# Altium PCB DK TT.PcbDoc (continued)
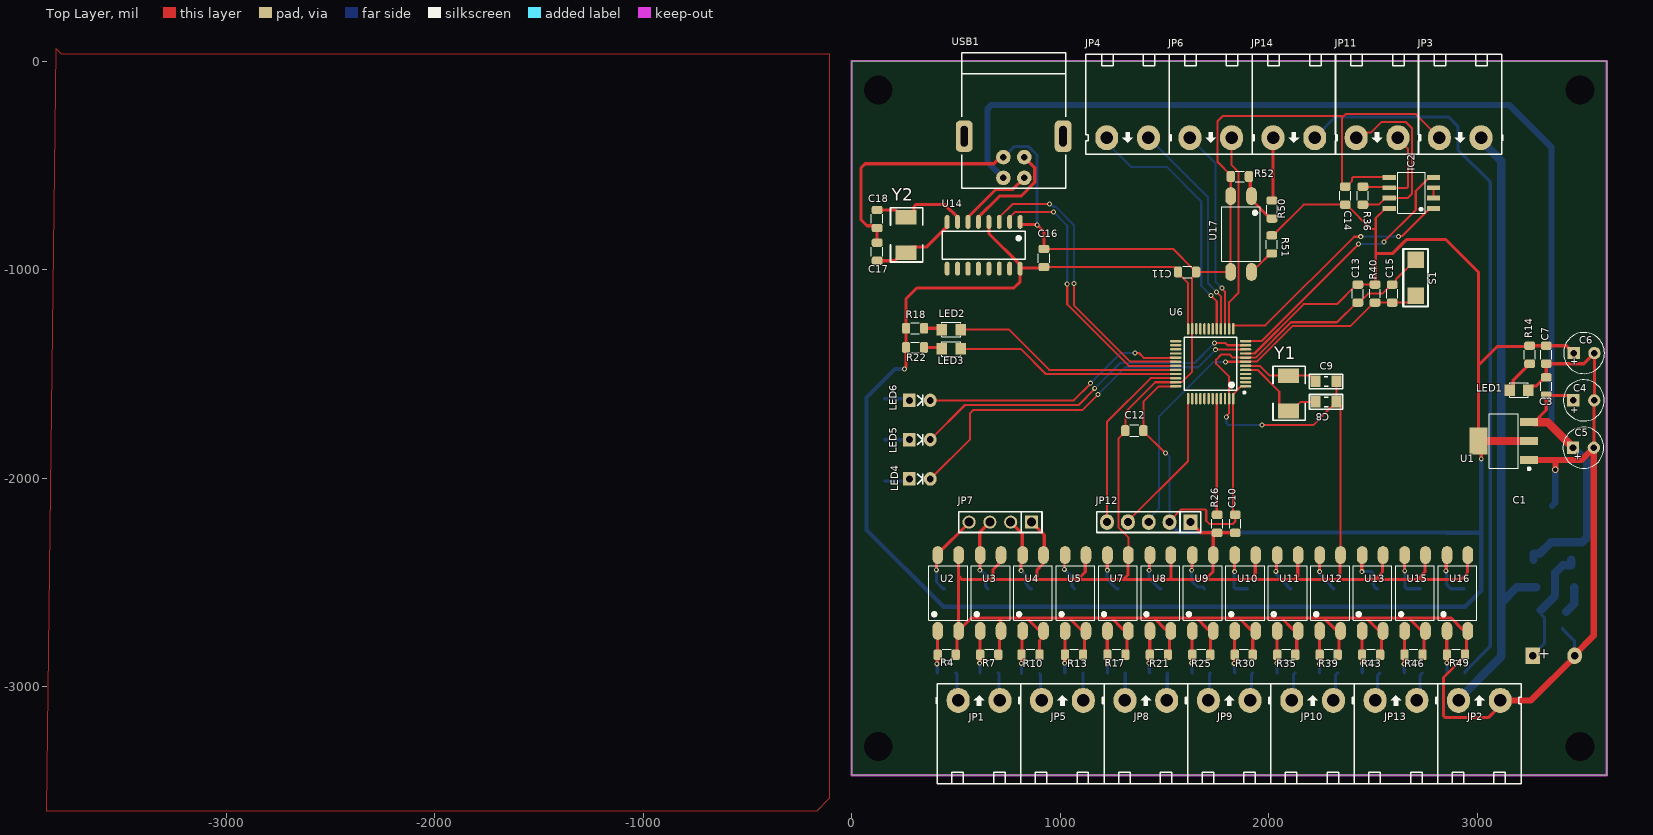
[diagram p0: Top Layer view]
## Footprints (in the part's own frame and the unit in brackets; to place one, negate y for a bottom-side part, rotate by r counter-clockwise, add the part's x,y. Pads: shape width x height; smd on the part's side, far side on the other; paste and mask are expansions set on the pad) (continued)
  round 70 hole 31: 1(49,100) 2(-51,100) 3(-51,0) 4(49,0)
  silkscreen extent -251,-501 249,149, body extent -290,-500 296,142, height 447

## Part data
C1: library part CP4, "470uF/35V", Manufacturer="Würth Elektronik", Part number=860020575014, Category=CAPACITOR, User_Description="CAP ALUM 470UF 20% 35V RADIAL"
C2 C3 C7 C10 C11 C12 C13 C15: library part C, "Cap SMD"
C4 C5 C6: library part CP3, "Cap 100uF/35V - 470uF/16V", Description 1="1000uF/6,3V - 470uF/16V - 330uF - 25V", Description 2="220uF/35V - 100uF/50V - 63V - 4,7uF/200V", Description 3="22uF => 33uF100V - 3,3uF => 4,7uF/250V", Description 4="2,2uF =>3,3uF/350 - 2,2uF/400V - 1uF/450V"
C8 C9: library part CapSMD, "Capacitor", LatestRevisionDate=17-Jul-2002, LatestRevisionNote="Re-released for DXP Platform.", PackageReference=RAD-0.3, Published=8-Jun-2000, Publisher="Altium Limited"
C14 C16: library part C, "Cap SMD", Manufacturer="Samsung Electro-Mechanics", Package=0805, Part number=CL21B104KBCNNWC, Category=CAPACITOR, User_Description="CAP CER 0.1UF 50V X7R 0805"
C17 C18: library part C, "Cap SMD", Manufacturer="Samsung Electro-Mechanics", Package=0805, Part number=CL21C220JBANFNC, Category=CAPACITOR, User_Description="CAP CER 22PF 50V C0G/NP0 0805"
D1: library part D1A, "Diode 1A"
IC1: library part LM78xx, "On ap +, from + 5 to + 24VDC"
IC2: library part MAX3362EKA+T, "IC TRANSCEIVER HALF 1/1 SOT23-8", Manufacturer="Maxim Integrated", Package=SOT-23-8, Category="Interface - Drivers", Part number=MAX3362EKA+T, User_Description="IC TRANSCEIVER HALF 1/1 SOT23-8"
JP1 JP2 JP3 JP4 JP5 JP6 JP8 JP9 JP10 JP11 JP13 JP14: library part Con2, "Connector 2"
JP7: library part "JP 1x4 2.54 Duc Thang", "Cắm", Chung_Loai=Cắm, Don_Vi=Con, Ma_Hang=MH000903, Ten_Linh_Kien="Jump Đơn Đực 2.54MM 1x40P Thẳng 11MM"
JP12: library part Con5, "Connector 5"
LED1 LED2 LED3 LED4 LED5 LED6: "LED Single colour Green and Red"
R1 R2 R3 R4 R5 R6 R7 R8 R9 R10 R11 R12 R13 R14 R15 R16 R17 R18 R19 R20 R21 R22 R23 R24 R25 R26 R27 R28 R29 R30 R31 R32 R33 R34 R35 R36 R37 R38 R39 R41 R42 R43 R44 R45 R46 R47 R48 R49 R50 R51 R52: library part RES, "Resistor 1/4W"
R40: library part RES_1, "Resistor 1/4W"
S1: "Switch", LatestRevisionDate=17-Jul-2002, LatestRevisionNote="Re-released for DXP Platform.", PackageReference=SPST-2, Published=24-Mar-1999, Publisher="Altium Limited"
U1: library part LM1117, Creator="Nguyen Ba Bien", Website=http://group3i.net
U2 U3 U4 U5 U7 U8 U9 U10 U11 U12 U13 U15 U16 U17: library part PC817, "Single Opto"
U14: "USB to UART Interface", Manufacturer=WCH, Package=SOIC-16, Category="IC UART Interface", Part number=CH340G, User_Description="USB to UART Interface"
USB1: "CONN USB 2.0 RT ANGLE TYPE B", Manufacturer="Stewart Connector", Package="Through Hole", Part number=SS-52300-001, Category="Connectors, Interconnects", User_Description="CONN USB 2.0 RT ANGLE TYPE B"
Y1 Y2: library part "Thach Anh 2 chan SMD 5032", "Crystal For all Crystal 2pin."

## Free pads (board coordinates)
  round 0 hole 137.8: 0(127.95,-3287.4) 0(127.95,-137.8) 0(3494.09,-3287.4) 0(3494.09,-137.8)

## Via types
v1: diameter 23.62, hole 11.81, Top Layer to Bottom Layer, 27 vias
v2: diameter 24, hole 14, Top Layer to Bottom Layer, 23 vias
v3: diameter 30, hole 20, Top Layer to Bottom Layer, 1 vias

## Nets (pads, with @x,y where several pads share a name; then routed paths per layer and width w, separated by ;. In a path a pad name is that pad's centre, name@x,y a point inside that pad or via, vN(x,y) a via of type N, cw(c..) or ccw(c..) an arc to the next point about the centre after c; other vN are vias at no path point)
485A: IC2.6 JP11.1 R36.2 | length 477.6
  Top Layer w10: R36.2 2454.65,-604.35 2576.05,-604.35 IC2.6 2580.7,-609 2662.27,-609 2668.13,-603.14 2668.13,-419.97 2620.18,-372.02 JP11.1
485B: IC2.7 JP11.2 R36.1 | length 883
  Top Layer w10: JP11.2 2444.31,-342.88 2490.12,-342.88 2541,-292 2659,-292 2688.05,-321.05 2688.05,-634.97 2666.02,-657 2559.02,-657 2527.71,-688.31 R36.1
+3.3V: C6.1 C7.2 C10.1 C11.1 C12.1 C13.1 C14.1 C16.2 IC2.8 JP12.2 R2.2 R6.2 R9.2 R12.2 R14.1 R16.2 R18.2 R20.2 R22.2 R24.2 R27.2 R29.2 R31.2 R33.2 R34.2 R38.2 R40.1 R42.2 R45.2 R48.2 R51.2 U1.2 U6.1 U6.9 U6.24 U6.36 U6.48 U14.4 U14.16 | length 14439.8
  Top Layer w10: C16.2 1545.29,-987.31 1565.69,-1007.71 C11.1 1565.69,-1017 1613.63,-1064.94 U6.24 1613.63,-1306.14 U6.24@1614.54,-1307.05 ; v2(1506,-1879) 1503.01,-1879 1399.31,-1775.29 C12.1 1399.31,-1633.69 1473.41,-1559.59 U6.36 U6.36@1554.92,-1559.24 ; JP12.2 1525,-2206.5 1581.5,-2150 1695.14,-2150 1701,-2155.86 1701,-2205 1717,-2221 1827,-2221 1840,-2208 C10.1 1830.17,-2165.86 U6.48 1830.17,-1596.99 1867.57,-1559.59 U6.1 ; U6.9 1932.17,-1402.11 2168.58,-1165.69 2327.87,-1165.69 2418.87,-1074.69 C13.1@2428,-1074.69 ; R51.2 2021,-835.69 2168.39,-688.31 C14.1 2374,-688.31 2490.69,-805 2512,-805 2514,-803 ; C13.1 R40.1 2514,-1068.07 2514,-803 ; IC2.8 2559.02,-707 2514,-752.02 2514,-803
  Top Layer w15: v2(253,-1476) 253,-1473.56 260.69,-1465.87 R22.2 R18.2 260.69,-1140.31 313,-1088 778.21,-1088 808,-1058.21 U14.16 ; U14.4 658,-826.76 803.14,-971.9 804.02,-971.9 808,-975.88 U14.16 ; C16.2 918.05,-991.26 811.95,-991.26 U14.16 ; 2517,-923.28 2593.72,-923.28 2661,-856 2851,-856 3005.95,-1010.95 3005.95,-1460.05 ; v1(3020,-1908) 3020,-1836.05 3005.95,-1822 3005.95,-1460.05 ; C6.1 3427.69,-1364.69 C7.2 R14.1 3248.69,-1368 3098,-1368 3005.95,-1460.05
  Top Layer w40: U1.2@3005.95,-1822 U1.2@3250.05,-1822
  Bottom Layer w10: v2(1506,-1879) 1506,-1879.18 1525,-1898.18 JP12.2
  Bottom Layer w20: v2(253,-1476) 208.69,-1476 71.69,-1613 R34.2 R31.2 R27.2 71.69,-2248.69 440,-2617 R2.2 R6.2 R9.2 R12.2 R16.2 R20.2 R24.2 R29.2 R33.2 R38.2 R42.2 R45.2 R48.2 2943,-2617 3020,-2540 3020,-2262 ; JP12.2 1525,-2215.5 1570.87,-2261.37 2854.37,-2261.37 2855,-2262 3020,-2262 ; v1(3020,-1908) 3020,-2262
+5V: C3.2 C4.1 C5.1 IC1.3 U1.3 USB1.1 | length 5971
  Top Layer w15: U1.3 3273.67,-1731.45 3332,-1673.12 C3.2 3438.31,-1603.31 C4.1
  Top Layer w40: U1.3@3273.67,-1731.45 3337.45,-1731.45 C5.1
  Bottom Layer w30: USB1.1 652,-484 652,-227.57 669.57,-210 3154,-210 3357,-413 3357,-1751 C5.1
  Bottom Layer w40: IC1.3 3270.84,-2364.09 3271.51,-2363.42 3298.34,-2363.42 3353.76,-2308 3503.57,-2308 3527,-2284.57 3527,-1921 C5.1
+12V: D1.1 JP2.1 JP3.1 | length 3023.4
  Bottom Layer w40: JP2.1 2911.02,-3061.2 3116,-2856.22 3116,-2598 ; JP3.1 3019,-380.65 3116,-477.65 3116,-2598 ; D1.1 3190,-2524 3116,-2598
BOOT0: R26.2 U6.44 | length 557.7
  Top Layer w10: U6.44 1751.43,-2174.12 R26.2
D+: U14.5 USB1.3 | length 504.1
  Top Layer w15: U14.5 608,-748 709,-647 812.24,-647 878.37,-580.87 878.37,-510.37 USB1.3
D-: U14.6 USB1.2 | length 370
  Top Layer w15: U14.6 558,-749.14 692.38,-614.77 773.23,-614.77 USB1.2
DE/RE: IC2.2 IC2.3 | length 50
  Top Layer w10: IC2.2 IC2.3
GND: C1.2 C2.1 C3.1 C4.2 C5.2 C6.2 C7.1 C8.2 C9.2 C10.2 C11.2 C12.2 C13.2 C14.2 C15.1 C16.1 C17.1 C18.1 IC1.2 IC2.5 JP2.2 JP3.2 JP7.1 JP12.1 LED1.2 R4.1 R7.1 R10.1 R13.1 R17.1 R21.1 R25.1 R26.1 R30.1 R35.1 R39.1 R43.1 R46.1 R49.1 R52.1 S1.2 U1.1 U2.2 U2.3 U3.2 U3.3 U4.2 U4.3 U5.2 U5.3 U6.8 U6.23 U6.35 U6.47 U7.2 U7.3 U8.2 U8.3 U9.2 U9.3 U10.2 U10.3 U11.2 U11.3 U12.2 U12.3 U13.2 U13.3 U14.1 U15.2 U15.3 U16.2 U16.3 U17.2 U17.3 USB1.4 | length 23377.5
  Top Layer w10: C16.1 1542,-900.69 1634.39,-993.09 1637.69,-993.09 1652.31,-1007.71 C11.2 ; U7.3 1327.33,-2284.14 1279.13,-2235.93 1279.13,-1811.57 1312.69,-1778 C12.2 1312.69,-1683.31 1456.09,-1539.91 U6.35 1554.92,-1539.56 1583.45,-1539.56 1633.31,-1489.69 U6.23 1633.31,-1038.7 1652.31,-1019.71 C11.2 ; v2(1797,-1706) 1797,-1702.21 1810.48,-1688.73 U6.47 1810.48,-1514.48 1748,-1452 1748,-1432 1774,-1406 1812.47,-1406 1828.26,-1421.8 U6.8 1937.76,-1421.8 2107.25,-1252.31 2327.87,-1252.31 2422,-1158.18 C13.2 2434,-1158.18 2477.18,-1115 2546,-1115 2589.43,-1071.57 C15.1 2596.29,-1071.57 2610.91,-1056.95 2610.91,-1046.86 S1.2 ; U17.3 U17.3@1804.65,-1011 ; v2(1968,-1746) 2214,-1746 2303.44,-1656.56 2307.38,-1656.56 2326,-1637.94 C8.2 ; C9.2 2325,-1633 C8.2 ; U12.3 2345.25,-1994.88 2344.62,-1994.25 2344.62,-1652.62 C8.2 ; IC2.5 2576.7,-555 2406.86,-555 2401,-560.86 2401,-573.34 2372.64,-601.69 C14.2 2366.92,-601.69 2352.3,-587.07 2352.3,-271.56 2360.86,-263 ; JP3.2 2705.98,-254 2369.86,-254 2360.86,-263 ; C11.2 U17.3@1804.65,-1011 ; U17.3@1804.65,-1011 1818,-997.65 U17.2 1818.35,-646.65 1818.35,-553.35 R52.1 1818.69,-547 1754.65,-482.96 1754.65,-288.35 1780,-263 2360.86,-263
  Top Layer w15: C17.1 C18.1 111.19,-789.5 73.5,-789.5 45,-761 45,-511.79 65.05,-491.74 681.38,-491.74 713.12,-460 USB1.4 ; R4.1 506.08,-2840.04 506.08,-2739.92 U2.2@511,-2735 ; U2.2@511,-2749 U2.2@511,-2735 ; U2.2 U2.2@511,-2735 ; U2.2@513,-2717 513,-2471 ; U2.3 513,-2471 ; R7.1 709.66,-2840.04 709.66,-2739.92 U3.2@714.58,-2735 ; U3.3@714.58,-2385 714.58,-2402.41 678,-2438.99 678,-2475 667,-2486 ; U3.2 U3.2@714.58,-2735 ; U14.1 808,-779.3 811.98,-783.28 888.28,-783.28 v2(890,-785) ; JP7.1 924,-2272 924,-2365 U4.3 ; v2@890,-791.17 896.17,-791.17 922,-817 C16.1 ; R10.1 901.31,-2778.89 920,-2760.2 U4.2 ; U4.2@918,-2749 918,-2741.38 901.29,-2724.67 893.67,-2724.67 840,-2671 ; U4.3@918,-2385 918,-2412.2 889.86,-2440.34 889.86,-2469.14 873,-2486 ; R13.1 1116.83,-2840.04 1116.83,-2739.92 U5.2@1118.56,-2738.19 ; U5.3@1121.75,-2385 1120.71,-2386.04 1120.71,-2450.5 1085.21,-2486 ; U5.2 U5.2@1118.56,-2738.19 ; R17.1 1320.41,-2840.04 1320.41,-2739.92 U7.2@1322.14,-2738.19 ; U7.3@1325.33,-2385 1325.33,-2463.88 1303.21,-2486 ; U7.2 U7.2@1322.14,-2738.19 ; R21.1 1523.99,-2840.04 1523.99,-2746.3 1528.92,-2741.38 1512.2,-2724.67 1504.58,-2724.67 1450.92,-2671 ; U8.3@1532,-2388.08 1532,-2477.21 1523.21,-2486 ; JP12.1 1625,-2215.5 1650.5,-2241 1655,-2241 1676.31,-2262.31 R26.1@1748.35,-2262.31 ; R25.1 1720.61,-2774.09 1732.5,-2762.2 1732.5,-2741.38 1715.79,-2724.67 1708.17,-2724.67 1654.5,-2671 ; U9.3@1732.5,-2385 1732.5,-2450.5 1697,-2486 ; U9.3 1734.5,-2276.16 R26.1@1748.35,-2262.31 ; C10.2 R26.1 R26.1@1748.35,-2262.31 ; R30.1 1924.2,-2774.09 1936.08,-2762.2 1936.08,-2741.38 1919.37,-2724.67 1911.75,-2724.67 1858.08,-2671 ; U10.3@1936.08,-2385 1936.08,-2466.13 1916.21,-2486 ; R35.1 2134.74,-2840.04 2134.74,-2746.3 2139.67,-2741.38 2122.95,-2724.67 2115.33,-2724.67 2061.67,-2671 ; U11.3@2139.67,-2385 2139.67,-2469.55 2123.21,-2486 ; R39.1 2338.33,-2840.04 2338.33,-2746.3 2343.25,-2741.38 2326.54,-2724.67 2318.92,-2724.67 2265.25,-2671 ; U12.3@2343.25,-2385 2343.25,-2470.96 2328.21,-2486 ; R43.1 2541.91,-2840.04 2541.91,-2739.92 U13.2@2543.64,-2738.19 ; U13.3@2546.83,-2385 2546.5,-2385.33 2546.5,-2450.5 2511,-2486 ; U13.2 U13.2@2543.64,-2738.19 ; R46.1 2745.49,-2840.04 2745.49,-2736.46 2733.7,-2724.67 2726.08,-2724.67 2672.42,-2671 ; U15.2@2747.22,-2738.19 2750.42,-2741.38 U15.2@2750.42,-2749 ; U15.3@2750.42,-2385 2749.71,-2385.7 2749.71,-2450.5 2714.21,-2486 ; U16.3@2954,-2385 2954,-2453 2921,-2486 2714.21,-2486 ; U16.2 U16.2@2950.81,-2738.19 ; JP2.2 3111.02,-3090.98 3053,-3149 2847.79,-3149 2839,-3140.21 2839,-2956.11 2942.11,-2853 R49.1 2949.08,-2840.04 2949.08,-2739.92 U16.2@2950.81,-2738.19 ; LED1.2 3246,-1575.5 3263.5,-1558 3284.69,-1558 3326,-1516.69 C3.1 C7.1 3511.69,-1451.31 C6.2@3562.5,-1400.5 ; C5.2 3561,-1853 3561,-1628 C4.2 3562.5,-1626.5 C6.2@3562.5,-1400.5 ; C6.2 C6.2@3562.5,-1400.5 ; U2.2@511,-2735 511,-2733 573,-2671 702.21,-2671 ; 513,-2471 528,-2486 667,-2486 ; 667,-2486 873,-2486 ; 702.21,-2671 840,-2671 ; 702.21,-2671 714.58,-2683.37 U3.2@714.58,-2735 ; 840,-2671 1043.75,-2671 ; 873,-2486 1085.21,-2486 ; 1043.75,-2671 1247.33,-2671 ; 1043.75,-2671 1097.42,-2724.67 1105.04,-2724.67 U5.2@1118.56,-2738.19 ; 1085.21,-2486 1303.21,-2486 ; 1247.33,-2671 1450.92,-2671 ; 1247.33,-2671 1301,-2724.67 1308.62,-2724.67 U7.2@1322.14,-2738.19 ; 1303.21,-2486 1523.21,-2486 ; 1450.92,-2671 1654.5,-2671 ; 1523.21,-2486 1697,-2486 ; 1654.5,-2671 1858.08,-2671 ; 1697,-2486 1916.21,-2486 ; 1858.08,-2671 2061.67,-2671 ; 1916.21,-2486 2123.21,-2486 ; 2061.67,-2671 2265.25,-2671 ; 2123.21,-2486 2328.21,-2486 ; 2265.25,-2671 2468.83,-2671 ; 2328.21,-2486 2511,-2486 ; 2468.83,-2671 2672.42,-2671 ; 2468.83,-2671 2522.5,-2724.67 2530.12,-2724.67 U13.2@2543.64,-2738.19 ; 2511,-2486 2714.21,-2486 ; 2672.42,-2671 2876,-2671 2929.67,-2724.67 2937.28,-2724.67 U16.2@2950.81,-2738.19
  Top Layer w30: JP2.2 3258.8,-3066.2 3468,-2857 C1.2 3468,-2847 3560,-2755 C5.2 3501.45,-1912.55 3375.75,-1912.55 ; U1.1 3375.75,-1912.55 ; v3(3375,-1960) 3375.75,-1959.25 3375.75,-1912.55
  Bottom Layer w10: v2(1797,-1706) 1797,-1735.21 1807.79,-1746 v2(1968,-1746)
  Bottom Layer w15: USB1.4 778.37,-409.63 848.87,-409.63 889,-449.76 889,-784 v2(890,-785) ; C2.1 3410.31,-2725 3468,-2782.69 C1.2
  Bottom Layer w30: IC1.2 3375,-2118 v3(3375,-1960)
I2C_SCL: U6.21
I2C_SDA: U6.22
IN1: JP7.4 R2.1 U2.4 | length 404.9
  Top Layer w15: v1(406,-2440) 406,-2370.3 563,-2213.3 JP7.4
  Bottom Layer w15: v1(406,-2440) 407.19,-2441.19 407.19,-2498.19 439.39,-2530.39 R2.1
IN2: JP7.3 R6.1 U3.4 | length 357.1
  Top Layer w15: v1(615,-2441) 614.79,-2440.79 614.79,-2385.21 614.58,-2385 614.58,-2259.42 JP7.3
  Bottom Layer w15: v1(615,-2441) 617.49,-2441 642.58,-2466.09 642.58,-2519.39 R6.1
IN3: JP7.2 R9.1 U4.4 | length 366.9
  Top Layer w15: JP7.2 818,-2266 818,-2385 813.08,-2389.92 813.08,-2413.21 813,-2413.29 v1(813,-2444)
  Bottom Layer w15: v1(813,-2444) 833.63,-2464.63 833.63,-2502.85 844.21,-2513.43 844.21,-2518.08 856.52,-2530.39 R9.1
IN4: R12.1 U5.4 | length 166.3
  Top Layer w10: v1(1020,-2438) 1020.87,-2437.13 1020.87,-2385.87 U5.4@1021.75,-2385
  Bottom Layer w15: v1(1020,-2438) 1057.75,-2475.75 1057.75,-2519.39 R12.1
IN5: R16.1 U7.4 | length 171.7
  Top Layer w10: U7.4@1225.33,-2385 U7.4@1226.17,-2385.83 ; v1@1226.17,-2440.17 v1(1227,-2441)
  Top Layer w15: v1@1226.17,-2440.17 U7.4@1226.17,-2385.83
  Bottom Layer w15: v1(1227,-2441) 1225,-2443 1225,-2485.05 1270.33,-2530.39 R16.1
IN6: R20.1 U8.4 | length 198.8
  Top Layer w10: v1(1427,-2442) v1@1427.96,-2441.04 ; U8.4@1427.96,-2385.96 U8.4@1428.92,-2385
  Top Layer w15: v1@1427.96,-2441.04 U8.4@1427.96,-2385.96
  Bottom Layer w15: v1(1427,-2442) 1427,-2479.47 1459.84,-2512.31 ; 1441.77,-2494.23 1477.92,-2530.39 R20.1
IN7: R24.1 U9.4 | length 185.2
  Top Layer w10: v1(1631,-2442) v1@1631.75,-2441.25 ; U9.4@1631.75,-2385.75 U9.4@1632.5,-2385
  Top Layer w15: v1@1631.75,-2441.25 U9.4@1631.75,-2385.75
  Bottom Layer w15: v1(1631,-2442) 1631,-2494 1658.77,-2521.77 1682.88,-2521.77 R24.1
IN8: R29.1 U10.4 | length 208.7
  Top Layer w10: U10.4@1836.08,-2385 U10.4@1836.54,-2385.46 ; v1@1836.54,-2447.54 v1(1837,-2448)
  Top Layer w15: v1@1836.54,-2447.54 U10.4@1836.54,-2385.46
  Bottom Layer w15: v1(1837,-2448) 1834.39,-2450.61 1834.39,-2460.24 1834,-2460.63 1834,-2524.53 1839.86,-2530.39 R29.1
IN9: R33.1 U11.4 | length 179.2
  Top Layer w10: v1(2035,-2447) v1@2037.33,-2444.67 ; U11.4@2037.33,-2387.33 U11.4@2039.67,-2385
  Top Layer w15: v1@2037.33,-2444.67 U11.4@2037.33,-2387.33
  Bottom Layer w15: v1@2037,-2447 2036.65,-2447.35 2036.65,-2454.75 2037,-2455.1 2037,-2461 2089.71,-2513.71 2089.71,-2518.08 2102.02,-2530.39 R33.1
IN10: R38.1 U12.4 | length 177
  Top Layer w10: U12.4@2243.25,-2385 U12.4@2244.12,-2385.88 ; v1@2244.12,-2447.12 v1(2245,-2448)
  Top Layer w15: v1@2244.12,-2447.12 U12.4@2244.12,-2385.88
  Bottom Layer w15: v1@2247,-2448 2246.65,-2448.35 2246.65,-2455.75 2247,-2456.1 2247,-2463.14 2297.29,-2513.43 2297.29,-2518.08 2309.6,-2530.39 R38.1
IN11: R42.1 U13.4 | length 205.8
  Top Layer w10: U13.4@2446.83,-2385 U13.4@2446.92,-2385.08 ; v1@2446.92,-2447.92 v1(2447,-2448)
  Top Layer w15: v1@2446.92,-2447.92 U13.4@2446.92,-2385.08
  Bottom Layer w15: v1(2447,-2448) 2492.37,-2448 2501.16,-2456.79 2501.16,-2509.1 2504.88,-2512.82 2504.88,-2518.08 2517.19,-2530.39 R42.1
IN12: R45.1 U15.4 | length 217.1
  Top Layer w10: U15.4@2650.42,-2385 U15.4@2651.71,-2386.29 ; v1@2651.71,-2443.71 v1(2653,-2445)
  Top Layer w15: v1@2651.71,-2443.71 U15.4@2651.71,-2386.29
  Bottom Layer w15: v1@2655,-2445 2655,-2524 2661.39,-2530.39 R45.1
IN13: R48.1 U16.4 | length 219.8
  Top Layer w10: v1(2850,-2445) v1@2852,-2443 ; U16.4@2852,-2387 U16.4@2854,-2385
  Top Layer w15: v1@2852,-2443 U16.4@2852,-2387
  Bottom Layer w15: v1(2850,-2445) 2852.61,-2447.61 2852.61,-2508.61 2874.39,-2530.39 R48.1
IN14: R51.1 U17.4 | length 137.4
  Top Layer w10: U17.4 1918,-1004.73 1937.02,-985.71 1945.6,-985.71 2009,-922.31 R51.1
LED1: LED4.2 U6.10 | length 1842.9
  Top Layer w10: LED4.2 568,-1813 568,-1688 582,-1674 1106,-1674 v2(1182,-1598) ; v2(1746,-1384) 1747.23,-1382.77 1888.87,-1382.77 U6.10
  Bottom Layer w10: v2(1182,-1598) 1312,-1468 1662,-1468 v2(1746,-1384)
LED2: LED5.2 U6.11 | length 1709.5
  Top Layer w10: LED5.2 543.5,-1649 1088.51,-1649 1166,-1571.51 v2(1166,-1569) ; v2(1739.75,-1352.74) 1793.03,-1352.74 1803.02,-1362.74 U6.11
  Bottom Layer w10: v2(1166,-1569) 1287,-1448 1644.49,-1448 v2(1739.75,-1352.74)
LED3: LED6.2 U6.29 | length 1283.3
  Top Layer w10: LED6.2 1066,-1627 1145.36,-1547.64 v2(1145.36,-1544.71) ; v2(1359,-1400) 1378,-1400 1401,-1423 1524.84,-1423 1525.14,-1422.7 1531.53,-1422.7 1532.43,-1421.8 U6.29
  Bottom Layer w10: v2(1145.36,-1544.71) 1290.07,-1400 v2(1359,-1400)
LED4: LED2.2 U6.32 | length 1111.5
  Top Layer w10: LED2.2 755,-1288 947.85,-1480.85 1485.29,-1480.85 U6.32
LED5: LED3.2 U6.33 | length 1081.5
  Top Layer w10: LED3.2 811,-1380 931.54,-1500.54 U6.33
MCU_XTAL1: C8.1 U6.5 Y1.2 | length 473.6
  Top Layer w10: U6.5 1946.85,-1480.85 2051,-1585 2051,-1648 2081,-1678 Y1.2 2111,-1678 2155,-1634 C8.1
MCU_XTAL2: C9.1 U6.6 Y1.1 | length 369.1
  Top Layer w10: U6.6 1957.76,-1461.17 2004.6,-1508 Y1.1 2197,-1508 2202.44,-1513.44 2206.38,-1513.44 2225,-1532.06 C9.1
NetC1_1: C1.1 C2.2 IC1.1 R3.2 | length 575.6
  Bottom Layer w15: C1.1 3268,-2847 3323.69,-2791.31 C2.2 3323.69,-2669.32 3305.98,-2651.6 R3.2 R3.2@3305.98,-2632.73
  Bottom Layer w40: R3.2@3305.98,-2632.73 3374,-2564.71 3374,-2454 3409.58,-2418.42 3450.49,-2418.42 3451.16,-2417.75 IC1.1
NetC17_2: C17.2 U14.8 Y2.2 | length 425.9
  Top Layer w15: C17.2 206.69,-957.31 246,-918 Y2.2 288.5,-890.5 359.95,-890.5 458,-792.45 U14.8
NetC18_2: C18.2 U14.7 Y2.1 | length 494.8
  Top Layer w15: C18.2 211.69,-713.69 246,-748 Y2.1 283,-726 303,-726 299,-722 299,-696.79 307.79,-688 446.86,-688 508,-749.14 U14.7
NetD1_2: D1.2 R3.1 | length 132.6
  Bottom Layer w40: R3.1 3431.56,-2637.46 3432.17,-2636.76 cw(c3462.31,-2663.06) 3434.77,-2634.06 3438.79,-2630.24 3465.55,-2603.47 D1.2
NetJP1_1: JP1.1 R1.1 | length 137.1
  Bottom Layer w15: R1.1 505.07,-2939.95 505.07,-3060.25 JP1.1
NetJP1_2: JP1.2 R5.1 | length 135.6
  Bottom Layer w15: R5.1 706.86,-2938.16 706.86,-3062.04 JP1.2
NetJP5_1: JP5.1 R8.1 | length 132.2
  Bottom Layer w15: R8.1 906.17,-2942.86 906.17,-3061.34 JP5.1
NetJP5_2: JP5.2 R11.1 | length 132.7
  Bottom Layer w15: R11.1 1110.44,-2934.58 1110.44,-3065.62 JP5.2
NetJP8_1: JP8.1 R15.1 | length 133.2
  Bottom Layer w15: JP8.1 1312.24,-3064.99 1312.24,-2935.21 R15.1
NetJP8_2: JP8.2 R19.1 | length 134.7
  Bottom Layer w15: JP8.2 1514.03,-3063.2 1514.03,-2937 R19.1
NetJP9_1: JP9.1 R23.1 | length 136.2
  Bottom Layer w15: JP9.1 1715.82,-3061.4 1715.82,-2938.79 R23.1
NetJP9_2: JP9.2 R28.1 | length 137.7
  Bottom Layer w15: JP9.2 1917.61,-3059.61 1917.61,-2940.59 R28.1
NetJP10_1: JP10.1 R32.1 | length 139.1
  Bottom Layer w15: JP10.1 2119.4,-3057.82 2119.4,-2942.38 R32.1
NetJP10_2: JP10.2 R37.1 | length 140.6
  Bottom Layer w15: JP10.2 2321.19,-3056.03 2321.19,-2944.17 R37.1
NetJP13_1: JP13.1 R41.1 | length 142.1
  Bottom Layer w15: JP13.1 2523.03,-3054.19 2523.03,-2945.91 R41.1
NetJP13_2: JP13.2 R44.1 | length 143.6
  Bottom Layer w15: JP13.2 2726.62,-3050.61 2726.62,-2945.91 R44.1
NetJP14_1: JP14.1 R47.1 | length 3482.2
  Bottom Layer w15: JP14.1 2320.37,-268 2864,-268 2908,-312 2908,-424 3063,-579 3063,-2807.11 2942.11,-2928 R47.1
NetJP14_2: JP14.2 R50.1 | length 303.6
  Top Layer w15: R50.1 2021.35,-663.04 JP14.2
NetLabel227: U6.18
NetLabel228: U6.19
NetLabel229: U6.20
NetLabel230: U6.39
NetLabel231: U6.40
NetLabel232: U6.41
NetLabel233: U6.42
NetLabel234: U6.43
NetLabel235: U6.45
NetLabel236: U6.46
NetLabel237: U6.25
NetLabel238: U6.26
NetLabel239: U6.27
NetLabel240: U6.28
NetLED1_1: LED1.1 R14.2 | length 169.2
  Top Layer w15: LED1.1 3173.5,-1560.5 3173.5,-1529.81 3235.04,-1468.26 3235.04,-1463.62 3247.35,-1451.31 R14.2
NetLED2_1: LED2.1 R18.1 | length 88.6
  Top Layer w15: R18.1 426,-1281 LED2.1
NetLED3_1: LED3.1 R22.1 | length 88.6
  Top Layer w15: R22.1 426,-1373 LED3.1
NetLED4_1: LED4.1 R27.1 | length 122.4
  Bottom Layer w15: R27.1 268,-2013 LED4.1
NetLED5_1: LED5.1 R31.1 | length 118.9
  Bottom Layer w15: R31.1 276.5,-1816 LED5.1
NetLED6_1: LED6.1 R34.1 | length 122
  Bottom Layer w15: R34.1 269,-1619 LED6.1
NetR1_2: R1.2 R4.2 U2.1 | length 187.5
  Top Layer w15: v1(409,-2891) 410.65,-2889.35 410.65,-2848.85 R4.2 411.75,-2846.25 U2.1@411.75,-2749.75
  Bottom Layer w15: v1(409,-2891) 410.65,-2892.65 410.65,-2932.15 R1.2
NetR5_2: R5.2 R7.2 U3.1 | length 186.3
  Top Layer w15: v1(614,-2887) 615.04,-2885.96 615.04,-2848.04 R7.2 615.33,-2846.25 U3.1@615.33,-2749.75
  Bottom Layer w15: v1(614,-2887) 615.04,-2888.04 615.04,-2932.96 R5.2
NetR8_2: R8.2 R10.2 U4.1 | length 197.2
  Top Layer w15: v1(814,-2889) 814.35,-2888.65 814.35,-2847.35 R10.2 816.35,-2845.35 816.35,-2750.65 818,-2749 U4.1@818,-2755.27
  Bottom Layer w15: v1(814,-2889) 814.35,-2889.35 814.35,-2937.65 R8.2
NetR11_2: R11.2 R13.2 U5.1 | length 193.8
  Top Layer w15: v1(1021,-2887) 1022.12,-2885.88 1022.12,-2848.12 R13.2 1022.5,-2846.25 1022.5,-2749.75 1021.75,-2749 U5.1@1021.75,-2755.27
  Bottom Layer w15: v1(1021,-2887) 1022.12,-2888.12 1022.12,-2932.88 R11.2
NetR15_2: R15.2 R17.2 U7.1 | length 195.1
  Top Layer w15: U7.1@1225.33,-2755.27 1225.33,-2749 1226.08,-2749.75 1226.08,-2846.25 R17.2 1227.92,-2848.08 1227.92,-2887.92 v1(1229,-2889)
  Bottom Layer w15: R15.2@1225.83,-2933 R15.2 1227.92,-2932.92 1227.92,-2890.08 v1(1229,-2889)
NetR19_2: R19.2 R21.2 U8.1 | length 195.5
  Top Layer w15: v1(1426,-2887) 1427.65,-2885.35 1427.65,-2849.77 R21.2 1429.67,-2846.25 1429.67,-2749.75 1428.92,-2749 U8.1@1428.92,-2755.27
  Bottom Layer w15: v1(1426,-2887) 1427.65,-2888.65 1427.65,-2931.23 R19.2
NetR23_2: R23.2 R25.2 U9.1 | length 193.8
  Top Layer w15: v1(1631,-2886) 1632.5,-2884.5 1632.5,-2847 1633.25,-2846.25 1633.25,-2749.75 1632.5,-2749 U9.1@1632.5,-2755.27
  Bottom Layer w15: v1(1631,-2886) 1632.5,-2887.5 1632.5,-2932.5 R23.2
NetR28_2: R28.2 R30.2 U10.1 | length 187.8
  Top Layer w10: U10.1@1836.08,-2749 U10.1@1836.83,-2749.75 ; R30.2@1836.83,-2846.25 R30.2
  Top Layer w15: v1(1835,-2889) 1836.29,-2887.71 1836.29,-2848.29 R30.2 ; R30.2@1836.83,-2846.25 U10.1@1836.83,-2749.75
  Bottom Layer w15: v1(1835,-2889) 1836.29,-2890.29 1836.29,-2932.71 R28.2
NetR32_2: R32.2 R35.2 U11.1 | length 186.6
  Top Layer w15: U11.1@2039.67,-2749 2040.42,-2749.75 2040.42,-2846.25 R35.2 2040.58,-2847.58 2040.58,-2886.42 v1(2040,-2887)
  Bottom Layer w15: v1(2040,-2887) 2040.58,-2887.58 2040.58,-2933.42 R32.2
NetR37_2: R37.2 R39.2 U12.1 | length 187.1
  Top Layer w15: v1(2243,-2891) 2243.87,-2890.13 2243.87,-2847.87 R39.2 2244,-2846.25 2244,-2749.75 U12.1@2243.25,-2749
  Bottom Layer w15: v1(2243,-2891) 2243.87,-2891.87 2243.87,-2933.13 R37.2
NetR41_2: R41.2 R43.2 U13.1 | length 187
  Top Layer w15: U13.1@2446.83,-2749 2447.58,-2749.75 2447.58,-2846.25 R43.2 2449.17,-2847.83 2449.17,-2889.17 v1(2450,-2890)
  Bottom Layer w15: R41.2 2449.17,-2933.17 2449.17,-2890.83 v1(2450,-2890)
NetR44_2: R44.2 R46.2 U15.1 | length 187.2
  Top Layer w15: v1(2650,-2891) 2650.96,-2890.04 2650.96,-2847.96 R46.2 2651.17,-2846.25 2651.17,-2749.75 U15.1@2650.42,-2749
  Bottom Layer w15: v1(2650,-2891) 2650.96,-2891.96 2650.96,-2933.04 R44.2
NetR47_2: R47.2 R49.2 U16.1 | length 186
  Top Layer w15: U16.1@2854,-2749 2854.75,-2749.75 2854.75,-2846.25 R49.2 2855.25,-2847.25 2855.25,-2885.75 v1(2855,-2886)
  Bottom Layer w15: v1(2855,-2886) 2855.25,-2886.25 2855.25,-2933.75 R47.2
NetR50_2: R50.2 R52.2 U17.1 | length 251.8
  Top Layer w15: R52.2 1911.65,-559.35 1911.65,-640.65 U17.1 1918,-663.7 2009.3,-755 R50.2
RST: C15.2 JP12.3 R40.2 S1.1 U6.7 | length 1991.2
  Top Layer w10: v2(1793,-1442) 1793.26,-1441.74 1888.96,-1441.74 U6.7 1943.35,-1441.48 2113.83,-1271 2391.68,-1271 2504.5,-1158.18 R40.2 ; R40.2@2517,-1158.18 C15.2 2672.82,-1158.18 S1.1
  Bottom Layer w10: JP12.3 1425,-2195 1475,-2145 1475,-1703 1736,-1442 v2(1793,-1442)
SPI1_MISO: JP4.1 U6.16 | length 1060.9
  Top Layer w10: v2(1751,-1108) 1771.11,-1128.11 U6.16
  Bottom Layer w10: JP4.1 1709,-652.32 1709,-1066 v2(1751,-1108)
SPI1_MOSI: JP4.2 U6.17 | length 1235.7
  Top Layer w10: v2(1723.25,-1123.68) 1751.43,-1151.86 U6.17
  Bottom Layer w10: JP4.2 1223.7,-390.7 1340,-507 1511,-507 1677,-673 1677,-1077.43 v2(1723.25,-1123.68)
SPI1_NSS: JP6.1 U6.14 | length 950.1
  Top Layer w10: U6.14 1810.48,-1155.52 1856.46,-1109.54 1856.46,-532.42 1822.53,-498.48 JP6.1
SPI1_SCK: JP6.2 U6.15 | length 986.7
  Top Layer w10: v2(1775.89,-1088.09) 1775.89,-1091.88 1790.8,-1106.78 U6.15
  Bottom Layer w10: JP6.2 1746,-490.49 1746,-1058.2 v2(1775.89,-1088.09)
SWCLK: JP12.4 U6.37 | length 711.9
  Top Layer w10: JP12.4 1325,-2206.5 1613.63,-1917.87 U6.37
SWDIO: JP12.5 U6.34 | length 898.1
  Top Layer w10: JP12.5 1225,-1729 1433.78,-1520.22 U6.34
UART1_RX: U6.31 U14.2 | length 1355.6
  Top Layer w10: U14.2 758,-749.14 784.14,-723 v2(968,-723) ; v2(1034,-1068) 1034,-1165.98 1329.19,-1461.17 U6.31
  Bottom Layer w10: v2(968,-723) 1034,-789 v2(1034,-1068)
UART1_TX: U6.30 U14.3 | length 1433.4
  Top Layer w10: U14.3 708,-749.14 772.14,-685 v2(949,-685) ; v2(1065.85,-1066.86) 1065.85,-1170.14 1337.19,-1441.48 U6.30
  Bottom Layer w10: v2(949,-685) 952.79,-685 965.91,-698.13 978.3,-698.13 1065.85,-785.68 v2(1065.85,-1066.86)
UART2_RX: IC2.1 U6.13 | length 1209.4
  Top Layer w10: U6.13 1830.17,-1268.18 1831,-1267.35 1984.65,-1267.35 2410,-842 v2(2442,-842) ; v2(2624,-841) 2626.68,-838.32 2640.29,-838.32 2771.61,-707 IC2.1
  Bottom Layer w10: v2(2442,-842) 2442.5,-841.5 2623.5,-841.5 v2(2624,-841)
UART2_TX: IC2.4 U6.12 | length 1281.2
  Top Layer w10: U6.12 1965.94,-1343.06 v2(2432,-877) ; v2(2553,-867) 2705.92,-714.08 2705.92,-622.69 2771.61,-557 IC2.4
  Bottom Layer w10: v2(2432,-877) 2539.21,-877 2549.21,-867 v2(2553,-867)
pads on no net: U6.2 U6.3 U6.4 U6.38 U14.9 U14.10 U14.11 U14.12 U14.13 U14.14 U14.15 USB1.0

## Polygon pours and split planes (outlines as drawn)
GND on Top Layer "Bottom Layer-No Net" (solid, remove dead copper, shelved, pour order 2): -3815.66,58.52 -3792.66,35.52 -108.66,35.52 -108.66,-3538.48 -111.66,-3541.48 -167.66,-3597.48 -3858.66,-3597.48 -3861.66,-3597.48
GND on Bottom Layer "Bottom Layer-No Net" (solid, remove dead copper, shelved, pour order 7): -3887.66,94.52 -3836.66,43.52 -31.66,43.52 -31.66,-3574.48 69.34,-3675.48 -45.66,-3560.48 -4147.66,-3560.48 -4147.66,-3538.48 -4154.66,-3531.48

## Keep-outs
Keep-Out Layer:
  the board outline again, w9.84

## Other copper
Top Layer:
  pour cut-out: -57.09,-137.8 ccw(c127.95,-137.8) 127.95,-322.84 ccw(c127.95,-137.8) 312.99,-137.8 ccw(c127.95,-137.8) 127.95,47.24 ccw(c127.95,-137.8)
  pour cut-out: 3309.05,-137.8 ccw(c3494.09,-137.8) 3494.09,-322.83 ccw(c3494.09,-137.8) 3679.13,-137.8 ccw(c3494.09,-137.8) 3494.09,47.24 ccw(c3494.09,-137.8)
  pour cut-out: 3309.05,-3287.4 ccw(c3494.09,-3287.4) 3494.09,-3472.44 ccw(c3494.09,-3287.4) 3679.13,-3287.4 ccw(c3494.09,-3287.4) 3494.09,-3102.36 ccw(c3494.09,-3287.4)
  pour cut-out: -57.09,-3287.4 ccw(c127.95,-3287.4) 127.95,-3472.44 ccw(c127.95,-3287.4) 312.99,-3287.4 ccw(c127.95,-3287.4) 127.95,-3102.36 ccw(c127.95,-3287.4)
Bottom Layer:
  pour cut-out: -57.09,-137.8 ccw(c127.95,-137.8) 127.95,-322.84 ccw(c127.95,-137.8) 312.99,-137.8 ccw(c127.95,-137.8) 127.95,47.24 ccw(c127.95,-137.8)
  pour cut-out: 3309.05,-137.8 ccw(c3494.09,-137.8) 3494.09,-322.83 ccw(c3494.09,-137.8) 3679.13,-137.8 ccw(c3494.09,-137.8) 3494.09,47.24 ccw(c3494.09,-137.8)
  pour cut-out: 3309.05,-3287.4 ccw(c3494.09,-3287.4) 3494.09,-3472.44 ccw(c3494.09,-3287.4) 3679.13,-3287.4 ccw(c3494.09,-3287.4) 3494.09,-3102.36 ccw(c3494.09,-3287.4)
  pour cut-out: -57.09,-3287.4 ccw(c127.95,-3287.4) 127.95,-3472.44 ccw(c127.95,-3287.4) 312.99,-3287.4 ccw(c127.95,-3287.4) 127.95,-3102.36 ccw(c127.95,-3287.4)

## Text inside footprints (layer, text, board x,y; h text height)
C1: Top Overlay "+" at 3362,-2873 h90 r90
C4: Top Overlay "+" at 3447,-1701 h59.06
C5: Top Overlay "+" at 3463,-1924 h59.06
C6: Top Overlay "+" at 3448,-1468 h59.06